# Altium PCB 247-616_Pi-CAN.PcbDoc
Units mm, origin at the board's own origin, x right, y up, seen from the top; angles counter-clockwise.
Board outline 65.2 x 30.4 mm, 2 copper layers (Top Layer, Bottom Layer), stack 1.569 mm thick; 33 components, 33 nets, 164 pads, 48 vias.
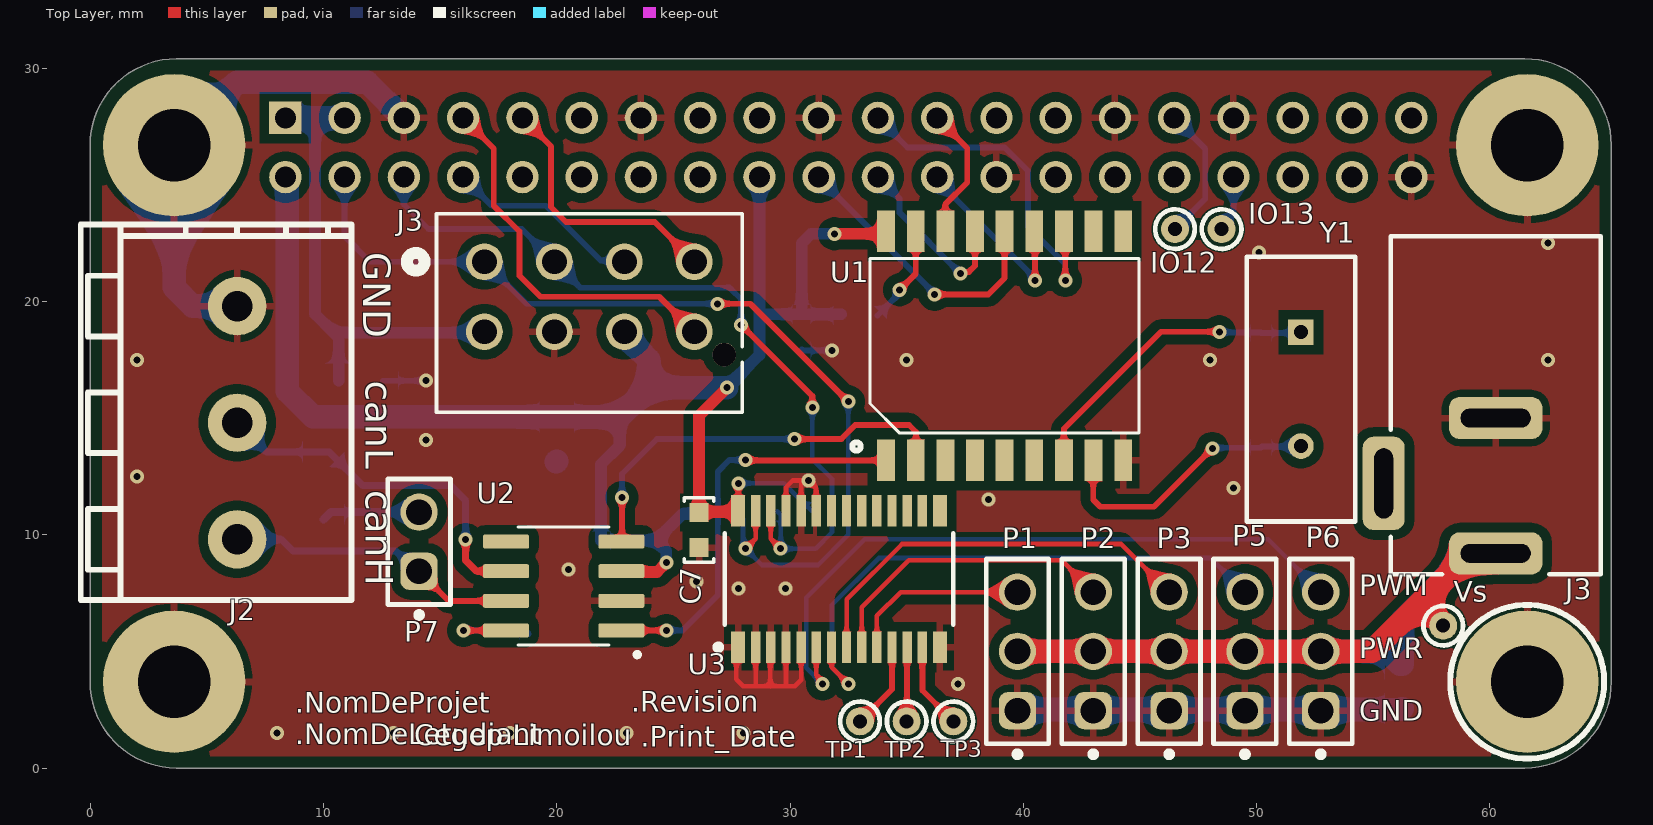
[diagram p0: Top Layer view]
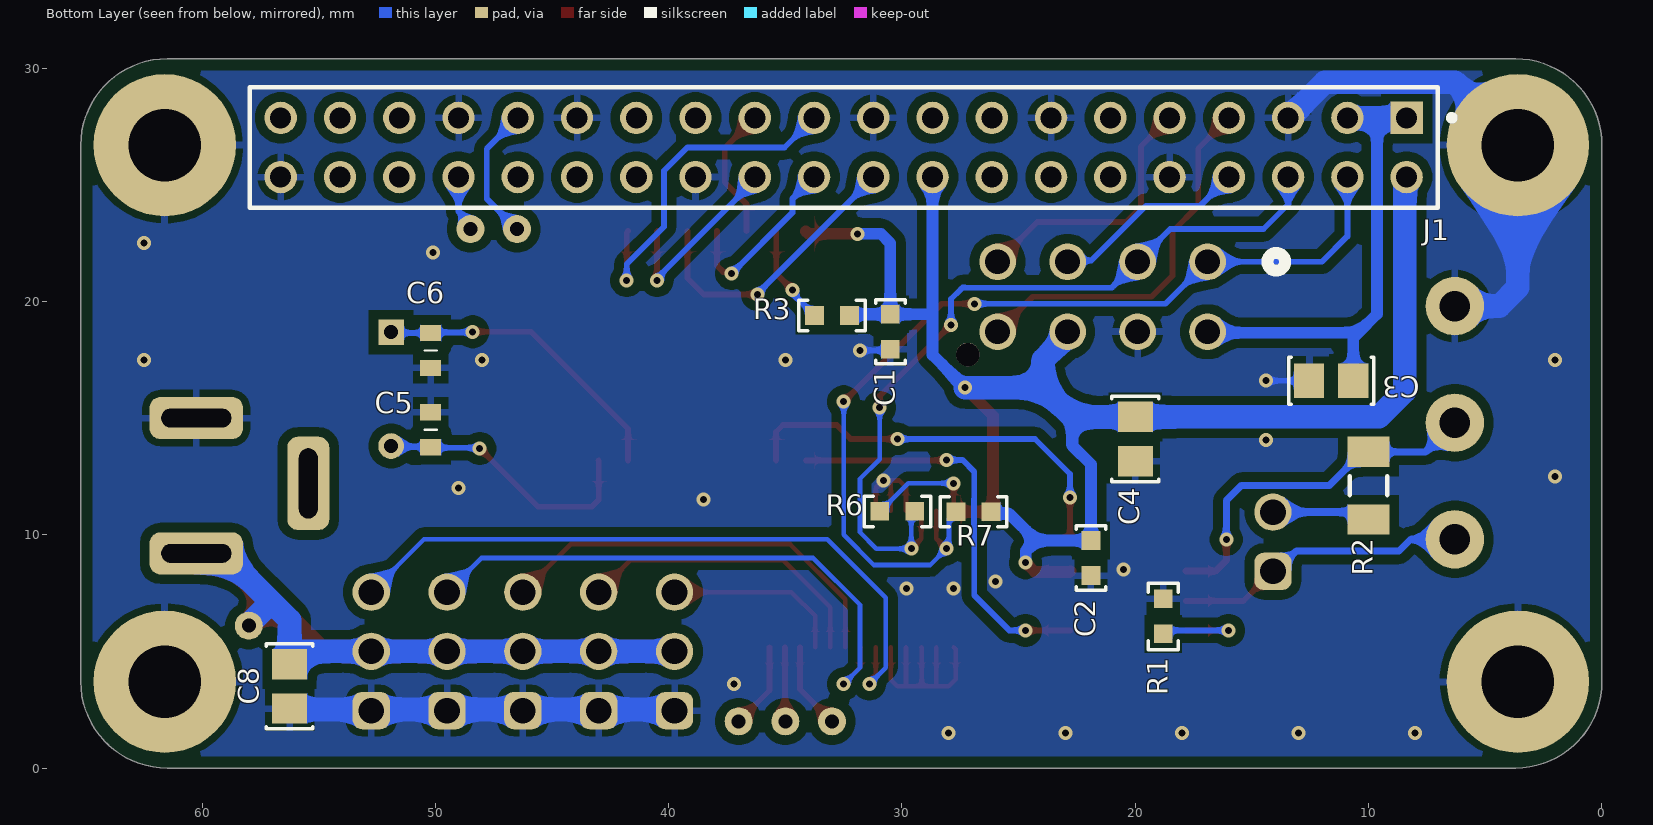
[diagram p1: Bottom Layer view, seen from below]
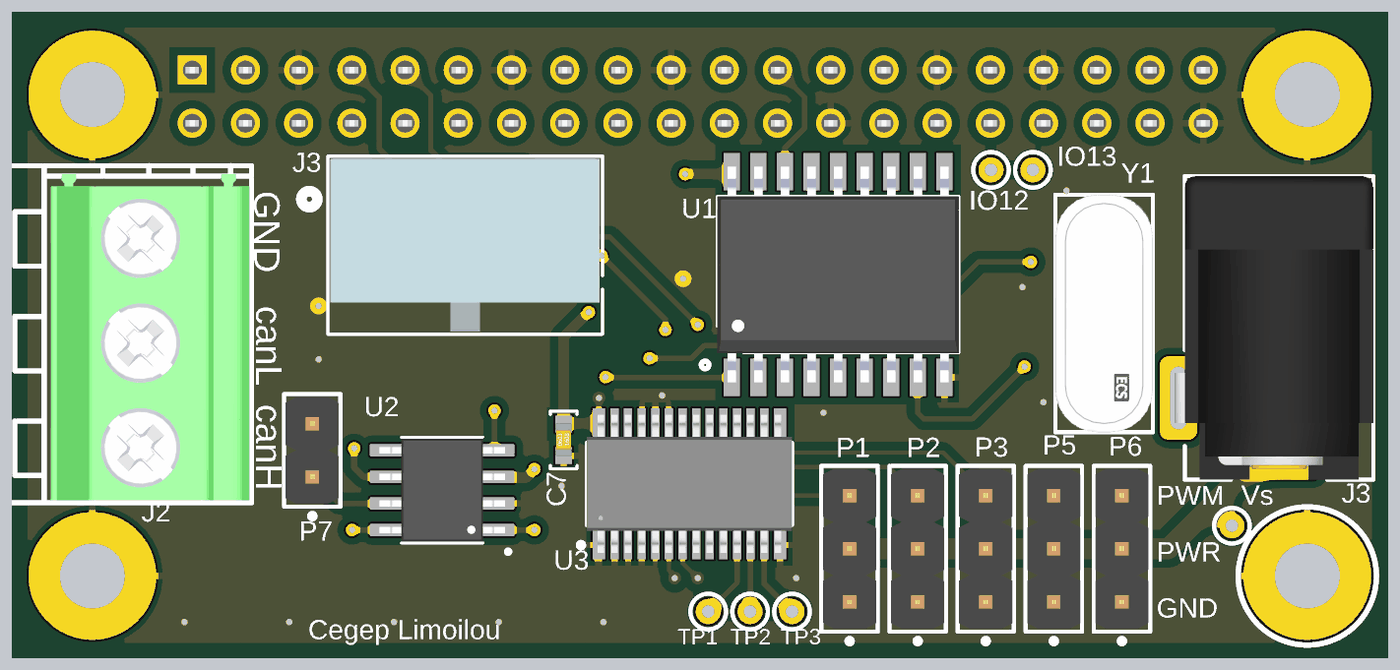
[diagram p2: 3D render of the assembled board from above, using the file's embedded part models]
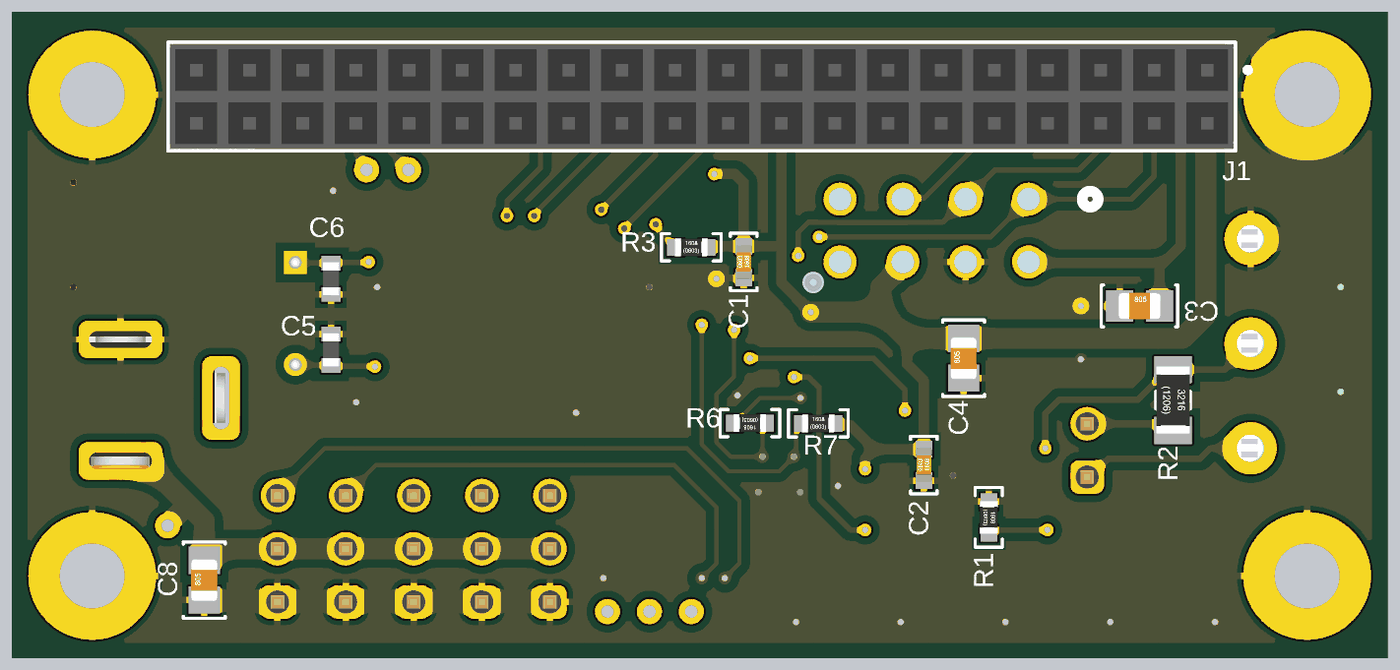
[diagram p3: 3D render of the assembled board from below, using the file's embedded part models]

## Layer stack, top to bottom
Top Solder: solder mask 0.0254, SM-001, Dk 4
Top Layer: signal copper 0.035
Dielectric 1: core 1.4986, Core-043, Dk 4.3
Bottom Layer: signal copper 0.035
Bottom Solder: solder mask 0.0254, SM-001, Dk 4

## Board outline
3.7,0 cw(c3.7,3.7) 0,3.7 0,26.7 cw(c3.7,26.7) 3.7,30.4 61.5,30.4 cw(c61.5,26.7) 65.2,26.7 65.2,3.7 cw(c61.5,3.7) 61.5,0

## Design rules (kind name [scope] priority, off if disabled: settings)
BoardOutlineClearance BoardOutlineClearance_SilkscreenTop [OnLayer('Top Overlay')] p1: gap=0 ignorepadtopadclearanceinfootprint=FALSE
BoardOutlineClearance BoardOutlineClearance_SilkscreenBottom [OnLayer('Bottom Overlay')] p2: gap=0.2 ignorepadtopadclearanceinfootprint=FALSE
BoardOutlineClearance [All] p3: gap=0.5 ignorepadtopadclearanceinfootprint=FALSE
Clearance Clearance_POLY [inpoly] p1: gap=0.4 ignorepadtopadclearanceinfootprint=FALSE
Clearance [All] p2: gap=0.2 ignorepadtopadclearanceinfootprint=FALSE
ComponentClearance [All] p1: gap=0.1 collisioncheckmode=3 verticalgap=0.254 showdistances=FALSE
DiffPairsRouting [All] p1: maxlimit=0.2 minlimit=0.2 mostfreqgap=0.2 toplayer_minwidth=0.2 toplayer_maxwidth=0.3 toplayer_prefwidth=0.25 bottomlayer_minwidth=0.2 bottomlayer_maxwidth=0.3 bottomlayer_prefwidth=0.25 maxuncoupledlength=15
HoleSize [All] p1: absolutevalues=TRUE maxlimit=4 minlimit=0.3 maxpercent=80.000 minpercent=20.000
HoleToHoleClearance [All] p1: gap=0.3 allowstackedmicrovias=TRUE
MinimumAnnularRing [All] p1: minimumring=0.125
MinimumSolderMaskSliver [All] p1: minsoldermaskwidth=0.075
PolygonConnect [All] p1: thpad.connectstyle=Relief thpad.reliefconductorwidth=0.3 thpad.reliefentries=4 thpad.polygonreliefangle="90 Angle" thpad.airgapwidth=0.3 smdpad.connectstyle=Relief smdpad.reliefconductorwidth=0.3 smdpad.reliefentries=4 smdpad.polygonreliefangle="90 Angle" smdpad.airgapwidth=0.3 via.connectstyle=Direct via.reliefconductorwidth=0.254 via.reliefentries=4 via.polygonreliefangle="90 Angle" via.airgapwidth=0.254
RoutingVias [All] p1: holewidth=0.3 width=0.6 viastyle="Through Hole" minholewidth=0.3 minwidth=0.6 maxholewidth=0.8 maxwidth=1.2
SilkToSilkClearance [All] p1: silktosilkclearance=0
SilkToSolderMaskClearance [IsPad] p1: minsilkscreentomaskgap=0 clearancetoexposedcopper=TRUE
SolderMaskExpansion [All] p1: expansion=0.1 istentingtop=FALSE
SupplyNets "Schematic Supply Nets_1" [InNet('GND')] p1: voltage=0.000
SupplyNets "Schematic Supply Nets_3" [InNet('V_SERVO')] p2: voltage=0.000
SupplyNets "Schematic Supply Nets_2" [InNet('V_5V')] p3: voltage=0.000
SupplyNets "Schematic Supply Nets" [InNet('V_3V3')] p4: voltage=0.000
Width [All] p1: maxlimit=5 minlimit=0.2 preferedwidth=0.25
23 further rules are at their usual default settings.

## Classes and differential pairs
differential pair CAN: +CAN_P -CAN_N

## Components (designator, comment, footprint, x,y, rotation, side; value= is the part's Value field where it differs from the comment)
C1 "Cap 100nF 0603" C_1608[0603] 30.5,18.7 r90 bottom value=100nF
C2 "Cap 100nF 0603" C_1608[0603] 21.9,9 r90 bottom value=100nF
C3 "Cap 10uF 0805" C_2012[0805] 11.6,16.6 r180 bottom value=10uF
C4 "Cap 10uF 0805" C_2012[0805] 20,14.1 r90 bottom value=10uF
C5 "Cap 22pF 0603" C0603 50.2,14.5 r90 bottom value=22pf
C6 "Cap 22pF 0603" C0603 50.2,17.9 r270 bottom value=22pf
C7 "Cap 100nF 0603" C_1608[0603] 26.1,10.2 r90 top value=100nF
C8 "Cap 10uF 0805" C_2012[0805] 56.25,3.5 r90 bottom value=10uF
IO12 "DNP" TP_TH061 46.5,23.1 r0 top
IO13 "DNP" TP_TH061 48.5,23.1 r90 top
J1 "7-534206-0" CONN_HDR_FEM_2x20pos_100mil 32.5,26.6 r0 bottom locked
J2 "950-DS/03" J_TERM_BLOCK_3POS_TH_5mm_Model2 6.3,14.8 r90 top locked
J3 "694106301002" P_DC-JACK_RA 60.25,15.55 r180 top
J3 "2068320801" CONN_2068320000-SD_08_MOL 16.9,21.7 r180 top
P1 "61300311121" P_HDR_3POS_100MILS_TH 39.75,5 r90 top
P2 "61300311121" P_HDR_3POS_100MILS_TH 43,5 r90 top
P3 "61300311121" P_HDR_3POS_100MILS_TH 46.25,5 r90 top
P5 "61300311121" P_HDR_3POS_100MILS_TH 49.5,5 r90 top
P6 "61300311121" P_HDR_3POS_100MILS_TH 52.75,5 r90 top
P7 "61300211121" P_HDR_2POS_100MILS_TH 14.1,9.7 r90 top
R1 "Res 1k 1% 0603" R_1608[0603] 18.8,6.5 r270 bottom value=1k
R2 "Res 120R 5% 1206" R_3216[1206] 10,12.1 r270 bottom value=120R
R3 "Res 10k 1% 0603" R_1608[0603] 33,19.4 r180 bottom value=10k
R6 "Res 10k 1% 0603" R_1608[0603] 30.2,11 r0 bottom value=10k
R7 "Res 10k 1% 0603" R_1608[0603] 26.937,10.988 r180 bottom value=10k
TP1 "DNP" TP_TH061 33,2 r0 top
TP2 "DNP" TP_TH061 35,2 r90 top
TP3 "DNP" TP_TH061 37,2 r90 top
U1 "MCP2515-I/SO" SOIC18-1.27-11.5X7.5MM 39.2,18.1 r0 top
U2 "SN65HVD230DR" SOIC127P599X175-8N 20.3,7.8 r180 top
U3 "PCA9685PW,112" TSSOP28_SOT361-1_V 32.1,8.1 r90 top
Vs "DNP" TP_TH061 58,6.1 r90 top
Y1 "ECS-80-20-4X" Y_HC-49-US 51.9,16.24 r270 top value=8MHz

## Footprints (in the part's own frame and the unit in brackets; to place one, negate y for a bottom-side part, rotate by r counter-clockwise, add the part's x,y. Pads: shape width x height; smd on the part's side, far side on the other; paste and mask are expansions set on the pad)
C0603 [mm] "Vérifié par projet tornatech"
  rect 0.7x0.9 smd: 1(-0.75,0) 2(0.75,0)
  silkscreen extent 0,-0.25 0,0.25, body extent -0.8,-0.4 0.8,0.4, height 0.9
C_1608[0603] [mm] "Capacitor MLCC; Body 1.6 x 0.8 mm (LxW typ)"
  rect 0.8x0.8 smd: 1(-0.75,0) 2(0.75,0)
  silkscreen extent -1.38,-0.64 1.38,0.64, body extent -0.8,-0.4 0.8,0.4, height 0.8
C_2012[0805] [mm] "Capacitor MLCC; Body 2.0 x 1.3 mm (LxW typ)"
  rect 1.3x1.5 smd: 1(-0.95,0) 2(0.95,0)
  silkscreen extent -1.83,-1 1.83,1, body extent -1,-0.62 1,0.63, height 0.78
CONN_2068320000-SD_08_MOL [mil]
  round 62 hole 42: 1(0,0) 2(-118.11,0) 3(-236.22,0) 4(-354.33,0) 5(0,118.11) 6(-118.11,118.11) 7(-236.22,118.11) 8(-354.33,118.11)
  round 40 / inner round 60 / far side round 40 hole 40 unplated paste-99999 mask+0: 9(-404.72,156.69)
  silkscreen extent -435,-81 131,254, body extent -430,-76 76,249, height 392
CONN_HDR_FEM_2x20pos_100mil [mm] "Connector Receptacle 2 rows  TH"
  rect 1.39x1.39 hole 0.9 paste-2539.97 mask+0: 1(-24.13,-1.27)
  round 1.39 hole 0.9 paste-2539.97 mask+0: 2(-24.13,1.27) 3(-21.59,-1.27) 4(-21.59,1.27) 5(-19.05,-1.27) 6(-19.05,1.27) 7(-16.51,-1.27) 8(-16.51,1.27) 9(-13.97,-1.27) 10(-13.97,1.27) 11(-11.43,-1.27) 12(-11.43,1.27) 13(-8.89,-1.27) 14(-8.89,1.27) 15(-6.35,-1.27) 16(-6.35,1.27) 17(-3.81,-1.27) 18(-3.81,1.27) 19(-1.27,-1.27) 20(-1.27,1.27) 21(1.27,-1.27) 22(1.27,1.27) 23(3.81,-1.27) 24(3.81,1.27) 25(6.35,-1.27) 26(6.35,1.27) 27(8.89,-1.27) 28(8.89,1.27) 29(11.43,-1.27) 30(11.43,1.27) 31(13.97,-1.27) 32(13.97,1.27) 33(16.51,-1.27) 34(16.51,1.27) 35(19.05,-1.27) 36(19.05,1.27) 37(21.59,-1.27) 38(21.59,1.27) 39(24.13,-1.27) 40(24.13,1.27)
  silkscreen extent -26.19,-2.58 25.47,2.58, body extent -25.4,-2.52 25.4,2.51, height 8.64
J_TERM_BLOCK_3POS_TH_5mm_Model2 [mm] "Terminal Block 3 positions Throught hole"
  round 2.5 hole 1.3: 1(-5,0) 2(0,0) 3(5,0)
  silkscreen extent -7.6,-4.9 8.5,6.7, body extent -7.49,-4.8 8.08,4.7, height 15.1
P_DC-JACK_RA [mm] "DC Power Jack Right Angle"
  rrect50% 4x1.8 hole 0.8 slot 3 at 0 deg: 1(0,6.35) 2(0,0.55)
  rrect50% 1.8x4 hole 0.8 slot 3 at 90 deg: 3(4.8,3.35)
  silkscreen extent -4.5,-7.25 4.5,7.25, body extent -4.5,-7.25 5,7.25, height 10.75
P_HDR_2POS_100MILS_TH [mm] "Pin Header, pitch 2.54 mm, THT, Vertical, single row, 2p"
  rrect50% 1.6x1.6 hole 1.1: 1(-1.27,0)
  round 1.6 hole 1.1: 2(1.27,0)
  silkscreen extent -3.26,-1.35 2.69,1.35, body extent -2.54,-1.27 2.54,1.27, height 8.57
P_HDR_3POS_100MILS_TH [mm] "Pin Header, pitch 2.54 mm, THT, Vertical, single row, 3p"
  rrect50% 1.6x1.6 hole 1.1: 1(-2.54,0)
  round 1.6 hole 1.1: 2(0,0) 3(2.54,0)
  silkscreen extent -4.53,-1.35 3.96,1.35, body extent -3.81,-1.27 3.81,1.27, height 8.57
R_1608[0603] [mm] "Chip Resistor; Body 1.6 x 0.8 mm (LxW typ)"
  rect 0.8x0.8 smd: 1(-0.75,0) 2(0.75,0)
  silkscreen extent -1.43,-0.65 1.43,0.65, body extent -0.77,-0.42 0.78,0.43, height 0.45
R_3216[1206] [mm] "Chip Resistor, Body 3.2x1.6mm, IPC Medium Density"
  rect 1.3x1.8 smd: 1(-1.45,0) 2(1.45,0)
  silkscreen extent -0.4,-0.8 0.4,0.8, body extent -1.6,-0.8 1.6,0.8, height 0.55
SOIC18-1.27-11.5X7.5MM [mil]
  rect 30x70 smd: 1(-200,-193.5) 2(-150,-193.5) 3(-100,-193.5) 4(-50,-193.5) 5(0,-193.5) 6(50,-193.5) 7(100,-193.5) 8(150,-193.5) 9(200,-193.5) 10(200,193.5) 11(150,193.5) 12(100,193.5) 13(50,193.5) 14(0,193.5) 15(-50,193.5) 16(-100,193.5) 17(-150,193.5) 18(-200,193.5)
  silkscreen extent -257,-177 227,148, body extent -227,-203 227,203, height 104
SOIC127P599X175-8N [mm]
  rrect25% 1.97x0.6 smd: 1(-2.47,1.905) 2(-2.47,0.635) 3(-2.47,-0.635) 4(-2.47,-1.905) 5(2.47,-1.905) 6(2.47,-0.635) 7(2.47,0.635) 8(2.47,1.905)
  silkscreen extent -3.25,-2.52 1.95,3.04, body extent -3,-2.45 3,2.45, height 1.75
TP_TH061 [mm] "Test point hole 0.61mm diameter (AWG28)"
  round 1.2 hole 0.6: 1(0,0)
  silkscreen extent -0.85,-0.85 0.85,0.85
TSSOP28_SOT361-1_V [mm] "SOP, 28-Leads, Body 9.7x4.4mm, Pitch 0.65mm, NXP Recommended"
  rect 1.35x0.6 smd: 1(-2.925,4.325) 14(-2.925,-4.325) 15(2.925,-4.325) 28(2.925,4.325)
  rect 1.35x0.4 smd: 2(-2.925,3.575) 3(-2.925,2.925) 4(-2.925,2.275) 5(-2.925,1.625) 6(-2.925,0.975) 7(-2.925,0.325) 8(-2.925,-0.325) 9(-2.925,-0.975) 10(-2.925,-1.625) 11(-2.925,-2.275) 12(-2.925,-2.925) 13(-2.925,-3.575) 16(2.925,-3.575) 17(2.925,-2.925) 18(2.925,-2.275) 19(2.925,-1.625) 20(2.925,-0.975) 21(2.925,-0.325) 22(2.925,0.325) 23(2.925,0.975) 24(2.925,1.625) 25(2.925,2.275) 26(2.925,2.925) 27(2.925,3.575)
  silkscreen extent -3.05,-4.9 1.96,5.3, body extent -3.3,-4.9 3.3,4.9, height 1.09
Y_HC-49-US [mm] "Xtal"
  rect 1.1x1.1 hole 0.6 paste-2539.97 mask+0: 1(-2.44,0)
  round 1.1 hole 0.6 paste-2539.97 mask+0: 2(2.44,0)
  silkscreen extent -5.68,-2.32 5.68,2.32, body extent -5.77,-2.42 5.77,2.42, height 0.25

## Part data
C1 C2 C7: library part CAP002, "Capacitor type 1", Dielectric=X7R, Manufacturer 1=Yageo, Manufacturer Part Number 1=CC0603KRX7R9BB104, Rated Voltage=50V, Supplier Part Number 1=C14663, Tolerance=10%, CEGEP=COND0143SM, LibRef=CAP002, Mount=SMT, Supplier 1=LCSC
C3 C4 C8: library part CAP004, "Capacitor type 1", Dielectric=X5R, Manufacturer 1=Samsung, Manufacturer Part Number 1=CL21A106KAYNNNE, Rated Voltage=25V, Supplier Part Number 1=C15850, Tolerance=10%, CEGEP=KCOND03SM, LibRef=CAP004, Mount=SMT, Supplier 1=LCSC
C5 C6: library part CAP012, "Capacitor type 1", Dielectric=C0G, Manufacturer 1=AVX, Manufacturer Part Number 1=12065A220KAT2A, Rated Voltage=50V, Tolerance=10%, CEGEP=COND0002SM, LibRef=CAP012, Mount=SMT
IO12 IO13 TP1 TP2 TP3 Vs: library part TP_TH0.61mm(AWG28), "Pad TH 0.61mm diameter (AWG28)", Supplier Part Number 1=N/A, Manufacturer Part Number 1=DNP, Supplier 1=N/A
J1: library part J_HDR_RECEPTACLE_2X20_TH_100mils, "CONN RCPT 40POS 0.1", Manufacturer2=Sullins, Manufacturer2_PN=PPTC202LFBN-RC, Manufacturer 1="TE Connectivity", Supplier Part Number 1=S6104-ND, CEGEP=CON040, Manufacturer Part Number 1=7-534206-0, Mount=TH, Supplier 1=Digi-Key
J2: library part J_TERM_BLOCK_3POS_5mm_MODEL2, "CONN TERM BLOCK 3POS 5mm pitch", Manufacturer2=Weco, Manufacturer 1="Phoenix Contact", Manufacturer Part Number 1=1890976, Supplier Part Number 1=277-6163-ND, CEGEP=CONWECO0002, Manufacturer2_PN=950-DS/03, Mount=TH, Supplier 1=Digi-Key
J3: library part J_DC_JACK_2.5MM, "DC Barrel Connector 2.5mm", Manufacturer 1="XKB Connection", Manufacturer Part Number 1=DC-005-5A-2.5, Supplier Part Number 1=C381115, Mount=TH, Supplier 1=LCSC
J3: library part J_CONN_MICROFIT_8POS, "Micro-Fit+ Vertical Header, Through Hole, 3.00mm Pitch, Dual Row, 8 Circuits, Tin (Sn) Plating, Glow-Wire Capable, Black, Tray", Manufacturer_Name="Molex Connector Corporation", Copyright="Copyright (C) 2025 Ultra Librarian. All rights reserved.", Manufacturer_Part_Number=2068320801, RefDes=RefDes, Type=Type
P1 P2 P3 P5 P6: library part P_HEADER_3POS, "Header 3pins single row, TH", Manufacturer 1="Würth Elektronik", Supplier Part Number 1=732-5316-ND, Manufacturer Part Number 1=61300311121, Mount=TH, Supplier 1=Digi-Key
P7: library part P_HEADER_2POS, "Header 2pins single row , 100mils TH", Manufacturer 1="Würth Elektronik", Supplier Part Number 1=732-5315-ND, Manufacturer Part Number 1=61300211121, Mount=TH, Supplier 1=Digi-Key
R1: library part RES015, "Resistor type 1", Manufacturer 1=Yageo, Manufacturer Part Number 1=RC0603FR-071KL, Max Working Voltage=75V, Supplier Part Number 1=C22548, Tolerance=1%, LibRef=RES015, Mount=SMT, Puissance=1/10W, Supplier 1=LCSC
R2: library part RES014, "Resistor type 1", Manufacturer 1=Panasonic, Manufacturer Part Number 1=ERJ-8GEYJ121V, Max Working Voltage=50V, Supplier Part Number 1=P120ECT-ND, Tolerance=5%, LibRef=RES014, Mount=SMT, Puissance=1/4W, Supplier 1=Digikey
R3 R6 R7: library part RES001, "Resistor type 1", Manufacturer 1=Yageo, Manufacturer Part Number 1=RC0603FR-0710KL, Max Working Voltage=75V, Supplier Part Number 1=C98220, Tolerance=1%, CEGEP=RESI0238-0603, LibRef=RES001, Mount=SMT, Puissance=1/10W, Supplier 1=LCSC
U1: library part U_MCP2515-SOIC, "CANbus Controller CAN 2.0 SPI Interface 18-SOIC", Manufacturer 1=Microchip, Manufacturer Part Number 1=MCP2515T-I/SO, Mount=SMT, Supplier 1=Digi-Key, Supplier Part Number 1=MCP2515T-I/SO
U2: library part U_SN65HVD230DR_SOIC, "IC TRANSCEIVER HALF 1/1 8SOIC", Manufacturer 1="Texas Instruments", Manufacturer Part Number 1=SN65HVD230DR, Mount=SMT
U3: library part U_PCA9685PW, "16-Channel, 12-Bit PWM I2C-Bus LED Controller, 28-Pin TSSOP (SOT361-1)", Manufacturer 1=NXP, Supplier Part Number 1=568-8366-5-ND, Manufacturer Part Number 1=PCA9685PW,112, Mount=SMT, Supplier 1=Digi-Key
Y1: library part Y_XTAL_8MHz_HC49US, "Crystal 8MHz TH", Manufacturer 1=ECS, Supplier Part Number 1=XC1922-ND, Tolerance=50ppm, CEGEP=CRISTAL0041, Manufacturer Part Number 1=ECS-80-20-4X, Mount=TH, Supplier 1=Digikey

## Free pads (board coordinates)
  round 6.1 hole 3.1: MH1(3.6,26.7) MH2(61.6,26.7) MH3(61.6,3.7) MH4(3.6,3.7)

## Via types
v1: diameter 0.6, hole 0.3, Top Layer to Bottom Layer, tented both sides, 26 vias
v2: diameter 0.6, hole 0.3, Top Layer to Bottom Layer, 22 vias

## Nets (pads, with @x,y where several pads share a name; then routed paths per layer and width w, separated by ;. In a path a pad name is that pad's centre, name@x,y a point inside that pad or via, vN(x,y) a via of type N, cw(c..) or ccw(c..) an arc to the next point about the centre after c; other vN are vias at no path point)
CAN_INT: J1.21 U1.12 | length 14.9
  Top Layer w0.25: U1.12 41.8,22.955 v2(41.8,20.9)
  Bottom Layer w0.25: J1.21 35.04,26.6 39.2,26.6 40.2,25.6 40.2,23.2 41.8,21.6 v2(41.8,20.9)
CAN_N: J2.2 R2.1 U2.6 | length 15.7
  Top Layer w0.3: v2(16.1,9.8) 16.1,8.9 16.565,8.435 U2.6
  Bottom Layer w0.3: J2.2 7.55,13.55 R2.1 10.25,13.55 11.68,12.12 15.44,12.12 16.1,11.46 v2(16.1,9.8)
CAN_P: J2.1 P7.1 U2.7 | length 12.6
  Top Layer w0.25: P7.1 15.365,7.165 U2.7
  Bottom Layer w0.3: J2.1 8.2,9.8 8.7,9.3 13.1,9.3 13.97,8.43 P7.1
CAN_RXD: U1.2 U2.4 | length 17.7
  Top Layer w0.25: U2.4 22.8,9.735 v2(22.8,11.6) ; v2(30.2,14.1) 32.2,14.1 32.8,14.7 35.1,14.7 35.4,14.4 35.4,13.195 U1.2
  Bottom Layer w0.25: v2(22.8,11.6) 22.8,12.6 24.3,14.1 v2(30.2,14.1)
CAN_TXD: U1.1 U2.1 | length 17.5
  Top Layer w0.25: U2.1 22.773,5.898 24.697,5.898 v2(24.7,5.9) ; v2(28.1,13.2) 28.115,13.185 U1.1
  Bottom Layer w0.25: v2(24.7,5.9) 25.4,5.9 26.9,7.4 26.9,10.44 26.912,10.453 26.912,11.522 26.9,11.535 26.9,12.7 27.4,13.2 v2(28.1,13.2)
GND: C1.1 C2.1 C3.1 C4.1 C5.2 C6.2 C7.1 C8.1 J1.5 J1.10 J1.13 J1.19 J1.26 J1.29 J1.33 J1.40 J2.3 J3.2@60.25,15 J3.6 P1.1 P2.1 P3.1 P5.1 P6.1 pad.MH1 pad.MH2 pad.MH3 pad.MH4 R1.1 U1.9 U2.2 U3.1 U3.2 U3.3 U3.4 U3.5 U3.14 U3.23 U3.24 U3.25 | length 56.3
  Top Layer w0.2: U3.1 27.7,5.1 27.7,3.8 28,3.5 28.5,3.5 ; U3.2 28.525,3.525 28.5,3.5 ; U3.3 29.154,5.154 29.154,3.5 ; U3.4 29.825,3.55 29.775,3.5 ; U3.25 29.825,12.025 30.125,12.325 30.461,12.325 ; U3.5 30.475,3.775 30.2,3.5 29.775,3.5 ; U3.24 30.475,12.311 30.461,12.325 ; U3.23 31.125,11.997 v1(30.796,12.325) 30.461,12.325 ; 28.5,3.5 29.154,3.5 ; 29.154,3.5 29.775,3.5
  Bottom Layer w0.25: C3.1 v2(14.4,16.6) ; C1.1 30.55,17.9 v2(31.8,17.9) ; v1(49,12) v1@49.067,12.067
  Bottom Layer w1: J2.3@6.325,19.825 J2.3 4.4,19.8 3.6,20.6 pad.MH1 6.3,29.4 11.876,29.4 13.406,27.87 J1.5 ; C4.1@19.975,13.125 C4.1 ; P1.1 39.795,2.505 56.205,2.505 C8.1
  other v1: 8,1.5 13,1.5 18,1.5 23,1.5 28,1.5 37.2,3.6 27.8,7.7 29.8,7.7 26,8 20.5,8.5 38.5,11.5 2,12.5 14.4,14.05 2,17.5 35,17.5 48,17.5 62.5,17.5 50.1,22.1 62.5,22.5
IO4: J1.8 J3.3@22.9,21.7 | length 8.4
  Bottom Layer w0.25: J1.8 17.22,24.1 19.538,24.1 21.884,21.754 22.846,21.754 J3.3@22.9,21.7
NetC5_1: C5.1 U1.8 Y1.2 | length 11.8
  Top Layer w0.25: U1.8 43,13.175 43,11.5 43.3,11.2 45.6,11.2 v2(48.1,13.7)
  Bottom Layer w0.25: v2(48.1,13.7) 48.125,13.725 50.175,13.725 C5.1 50.225,13.775 51.875,13.775 Y1.2
NetC6_1: C6.1 U1.7 Y1.1 | length 13.3
  Top Layer w0.25: U1.7 41.74,14.54 45.9,18.7 v2(48.4,18.7)
  Bottom Layer w0.25: v2(48.4,18.7) 48.425,18.675 50.175,18.675 C6.1 51.87,18.65 Y1.1
NetIO12_1: IO12.1 J1.31 | length 5.9
  Bottom Layer w0.25: J1.31 47.8,26.54 47.8,24.4 IO12.1
NetIO13_1: IO13.1 J1.34 | length 2.4
  Bottom Layer w0.25: IO13.1 48.5,23.357 49.01,23.867 J1.34
NetP7_2: P7.2 R2.2 | length 4.2
  Bottom Layer w0.35: R2.2 10.32,10.97 P7.2
NetR1_2: R1.2 U2.8 | length 4.7
  Top Layer w0.25: v2(16,5.9) 16.005,5.895 U2.8
  Bottom Layer w0.25: v2(16,5.9) 18.65,5.9 R1.2
NetR3_1: R3.1 U1.17 | length 4.3
  Top Layer w0.25: v2(34.7,20.5) 35.39,21.19 U1.17
  Bottom Layer w0.25: R3.1 34.633,20.283 34.633,20.433 v2(34.7,20.5)
NetTP1_1: TP1.1 U3.11 | length 3.7
  Top Layer w0.25: TP1.1 34.375,3.375 U3.11
NetTP2_1: TP2.1 U3.12 | length 3.2
  Top Layer w0.25: TP2.1 35.013,2.013 35.013,5.162 U3.12
NetTP3_1: TP3.1 U3.13 | length 3.7
  Top Layer w0.25: U3.13 35.675,3.325 TP3.1
PWM1: P1.3 U3.10 | length 7.8
  Top Layer w0.2: U3.10 33.725,6.525 34.74,7.54 P1.3
PWM2: P2.3 U3.9 | length 13
  Top Layer w0.2: U3.9 33.075,6.884 35.091,8.9 41.64,8.9 P2.3
PWM3: P3.3 U3.8 | length 17.7
  Top Layer w0.2: U3.8 32.425,7.225 34.8,9.6 44.19,9.6 P3.3
PWM4: P5.3 U3.7 | length 24.7
  Top Layer w0.2: U3.7 31.783,5.167 31.783,4.317 v1(32.5,3.6)
  Bottom Layer w0.2: v1(32.5,3.6) 31.8,4.3 31.8,7 33.8,9 48.04,9 P5.3
PWM5: P6.3 U3.6 | length 29.7
  Top Layer w0.2: U3.6 31.125,3.983 31.4,3.708 v1(31.4,3.6)
  Bottom Layer w0.2: v1(31.4,3.6) 30.7,4.3 30.7,7.3 33.2,9.8 50.49,9.8 P6.3
RX: J1.9 J3.4 | length 11.4
  Top Layer w0.25: J1.9 19.753,26.647 19.753,24.047 20.4,23.4 24.2,23.4 J3.4
SCL: J1.6 J3.2@19.9,21.7 R6.1 U3.26 | length 34.9
  Top Layer w0.2: U3.26 29.175,9.825 v1(29.6,9.4)
  Top Layer w0.25: v2(27.9,19) 30.958,15.942 v2(30.958,15.458)
  Bottom Layer w0.2: R6.1 29.6,10.85 v1(29.6,9.4) 31.1,9.4 31.8,10.1 31.8,12.4 30.958,13.242 v2(30.958,15.458)
  Bottom Layer w0.25: J1.6 13.45,24.15 14.5,23.1 18.5,23.1 19.9,21.7 20.927,20.673 21,20.6 22.893,20.588 ccw(c22.9,21.7) 22.9,20.588 25.904,20.588 27.294,20.601 27.399,20.601 27.472,20.528 27.9,20.1 v2(27.9,19)
SDA: J1.4 J3.1@16.9,21.7 R7.1 U3.27 | length 41.6
  Top Layer w0.2: v1(28.1,9.4) 28.525,9.825 U3.27
  Top Layer w0.25: v2(26.9,19.9) 28.3,19.9 v2(32.5,15.7)
  Bottom Layer w0.2: R7.1 27.987,10.687 27.987,9.621 28.1,9.508 v1(28.1,9.4) 28.8,8.7 31.2,8.7 32.5,10 v2(32.5,15.7)
  Bottom Layer w0.25: J1.4 10.91,22.79 12,21.7 16.9,21.7 18.7,19.9 v2(26.9,19.9)
SPI_nCS: J1.23 U1.16 | length 5.8
  Top Layer w0.25: J1.23 37.6,26.58 37.6,25.1 36.66,24.16 U1.16
SPI_SCK: J1.24 U1.13 | length 8.3
  Top Layer w0.25: U1.13 40.5,22.985 v2(40.5,20.9)
  Bottom Layer w0.25: J1.24 36.31,25.185 40.5,20.995 v2(40.5,20.9)
SPI_SI: J1.20 U1.14 | length 12.4
  Top Layer w0.25: v2(36.2,20.3) 38.5,20.3 39.2,21 U1.14
  Bottom Layer w0.25: J1.20 31.23,25.3 36.2,20.33 v2(36.2,20.3)
SPI_SO: J1.22 U1.15 | length 7.8
  Top Layer w0.25: v2(37.3,21.2) 37.367,21.267 37.667,21.267 37.93,21.53 U1.15
  Bottom Layer w0.25: J1.22 34.7,24.4 34.7,23.8 v2(37.3,21.2)
TX: J1.7 J3.8 | length 16.3
  Top Layer w0.25: J1.7 17.3,26.56 17.3,24.1 18.4,23 18.4,21.1 19.3,20.2 24.4,20.2 J3.8
V_3V3: C1.2 C2.2 C4.2 C7.2 J1.2 J1.18 J3.7 R3.2 R6.2 R7.2 U1.18 U2.3 U3.28 | length 78.1
  Top Layer w0.2: U3.28 27.785,11.035 v1(27.785,12.204)
  Top Layer w0.5: U2.3 22.805,8.4 24.3,8.4 v2(24.7,8.8) ; v2(27.3,16.3) 26.1,15.1 C7.2 26.138,10.988 27.737,10.988 U3.28 ; v2(31.9,22.9) 34.005,22.9 U1.18
  Bottom Layer w0.2: v1(27.785,12.204) 29.728,12.204 30.631,11.3 30.65,11.3 R6.2
  Bottom Layer w0.5: 22.7,15.186 22.7,15.05 22.7,13.812 21.9,13.013 C2.2 24.25,9.75 ; v2(24.7,8.8) 24.7,9.3 24.25,9.75 ; R7.2 26.1,10.9 25.4,10.9 24.25,9.75 ; v2@27.284,16.3 28.69,17.706 28.69,19 28.69,19.45 ; J1.18 28.69,19.45 ; v2(31.9,22.9) 30.9,22.9 30.5,22.5 C1.2 ; R3.2@32.2,19.45 C1.2 ; 28.69,19.45 C1.2
  Bottom Layer w1: J1.2 8.445,25.255 8.445,16.155 9.55,15.05 C4.2 22.7,15.05 23.95,16.3 ; J3.7 22.9,18.544 23.95,17.494 23.95,16.3 ; v2@27.284,16.3 23.95,16.3
V_5V: C3.2 J1.1 J1.3 J3.5 | length 20.7
  Bottom Layer w0.5: 9.64,27.87 9.64,19.46 10.444,18.656 ; C3.2 10.65,18.45 10.444,18.656 ; J3.5 16.856,18.656 10.444,18.656
  Bottom Layer w1: J1.1 9.64,27.87 J1.3
V_SERVO: C8.2 J3.1@60.25,9.2 P1.2 P2.2 P3.2 P5.2 P6.2 Vs.1 | length 48.9
  Top Layer w1: P1.2 P2.2 P3.2 P5.2 P6.2 54.95,5 57.05,7.1 ; Vs.1 58,6.15 57.05,7.1 ; J3.1@60.25,9.2 59.15,9.2 57.05,7.1
  Bottom Layer w1: P1.2 P2.2 P3.2 P5.2 P6.2 55.6,5 56.15,4.45 C8.2 56.25,6.329 57.06,7.14 ; Vs.1 58,6.154 57.06,7.094 57.06,7.14 ; J3.1@60.25,9.2 59.85,8.8 58.721,8.8 57.06,7.14
pads on no net: J1.11 J1.12 J1.14 J1.15 J1.16 J1.17 J1.25 J1.27 J1.28 J1.30 J1.32 J1.35 J1.36 J1.37 J1.38 J1.39 J3.3@55.45,12.2 J3.9 U1.3 U1.4 U1.5 U1.6 U1.10 U1.11 U2.5 U3.15 U3.16 U3.17 U3.18 U3.19 U3.20 U3.21 U3.22

## Polygon pours and split planes (outlines as drawn)
GND on Top Layer "GND_L01_P002" (solid, remove dead copper, pour order 2): 0,3.7 0,26.7 cw(c3.7,26.7) 3.7,30.4 61.5,30.4 cw(c61.5,26.7) 65.2,26.7 65.2,3.7 cw(c61.5,3.7) 61.5,0 3.7,0 cw(c3.7,3.7)
GND on Bottom Layer "GND_L02_P003" (solid, remove dead copper, pour order 3): 0,3.7 0,26.7 cw(c3.7,26.7) 3.7,30.4 61.5,30.4 cw(c61.5,26.7) 65.2,26.7 65.2,3.7 cw(c61.5,3.7) 61.5,0 3.7,0 cw(c3.7,3.7)

## Silkscreen, mask and mechanical layers (free items; w line width, h text height)
Top Overlay:
  circle w0.254: c61.6,3.7 r3.3
  text "GND" at 11.322,22.1 h2 r270
  text "canL" at 11.42,16.6 h2 r270
  text "canH" at 11.42,11.9 h2 r270
  text "PWM" at 54.4,7.1 h1.5
  text "PWR" at 54.4,4.4 h1.5
  text ".Revision" at 23.2,2.115 h1.5
  text ".NomDeProjet" at 8.799,2.066 h1.5
  text "GND" at 54.4,1.717 h1.5
  text ".NomDeLetudiant" at 8.8,0.715 h1.5
  text "Cegep Limoilou" at 13.9,0.682 h1.5
  text ".Print_Date" at 23.599,0.617 h1.5
Board:
  lines w0.5: 0,3.7 ccw(c3.7,3.7) 3.7,0 ; 0,3.7 ccw(c3.7,3.7) 3.7,0 ; 0,3.7 ccw(c3.7,3.7) 3.7,0 ; 0,3.7 ccw(c3.7,3.7) 3.7,0 ; 0,3.7 0,26.7 ; 0,3.7 0,26.7 ; 0,3.7 0,26.7 ; 0,3.7 0,26.7 ; 0,26.7 cw(c3.7,26.7) 3.7,30.4 ; 0,26.7 cw(c3.7,26.7) 3.7,30.4 ; 0,26.7 cw(c3.7,26.7) 3.7,30.4 ; 0,26.7 cw(c3.7,26.7) 3.7,30.4 ; 3.7,0 61.5,0 ; 3.7,0 61.5,0 ; 3.7,0 61.5,0 ; 3.7,0 61.5,0 ; 3.7,30.4 61.5,30.4 ; 3.7,30.4 61.5,30.4 ; 3.7,30.4 61.5,30.4 ; 3.7,30.4 61.5,30.4 ; 61.5,0 ccw(c61.5,3.7) 65.2,3.7 ; 61.5,0 ccw(c61.5,3.7) 65.2,3.7 ; 61.5,0 ccw(c61.5,3.7) 65.2,3.7 ; 61.5,0 ccw(c61.5,3.7) 65.2,3.7 ; 61.5,30.4 cw(c61.5,26.7) 65.2,26.7 ; 61.5,30.4 cw(c61.5,26.7) 65.2,26.7 ; 61.5,30.4 cw(c61.5,26.7) 65.2,26.7 ; 61.5,30.4 cw(c61.5,26.7) 65.2,26.7 ; 65.2,3.7 65.2,26.7 ; 65.2,3.7 65.2,26.7 ; 65.2,3.7 65.2,26.7 ; 65.2,3.7 65.2,26.7
Top Component Center:
  circle w0.254: c3.6,3.7 r1.5
  circle w0.254: c61.6,3.7 r1.5
  circle w0.254: c61.6,26.7 r1.5
  circle w0.254: c3.6,26.7 r1.5
  lines w0.1: -12.5,23 -0.5,23 2.6,19.9 ; -12,32 -2,32 2.5,27.5 ; 3.8,7.9 3.8,21.9 ; 4,34 15,34 19.75,29.25 ; 6,32 8,32 9.75,30.25 9.75,28.5 ; 8.2,7.9 8.2,21.9 ; 0,3.7 ccw(c3.7,3.7) 3.7,0 61.5,0 ccw(c61.5,3.7) 65.2,3.7 65.2,26.7 ccw(c61.5,26.7) 61.5,30.4 3.7,30.4 ccw(c3.7,26.7) 0,26.7 0,3.7 ; 2.6,7.9 2.6,21.9 9.4,21.9 9.4,7.9 2.6,7.9 ; 6.85,23.1 58.05,23.1 58.05,29.1 6.85,29.1 6.85,23.1 ; 8,27 8,28.5 11.5,28.5 11.5,27 8,27
  text "Connecteur interface Pi4" at -0.3,34.217 h1.5
  text "5V" at 6,32.517 h1.5
  text "Trous de fixation (x4)" at -16.6,32.283 h1.5
  text "Connecteur CAN" at -15.8,23.517 h1.5
  text "GND" at -4.5,19.517 h1.5
  text "CAN L" at -4.5,14.517 h1.5
  text "CAN H" at -4.5,9.517 h1.5
Drill Drawing:
  circle w0.254: c82.567,16.618 r0.414
  circle w0.254: c82.567,16.618 r0.69
  circle w0.254: c82.567,7.308 r0.69
  lines w0.25: 80.626,2.585 178.828,2.585 ; 80.626,33.615 178.828,33.615 ; 81.124,42.55 87.4,42.55 103.409,42.55 112.366,42.55 119.488,42.55 ; 81.124,45.55 87.4,45.55 103.409,45.55 112.366,45.55 119.488,45.55 ; 81.124,48.55 87.4,48.55 103.409,48.55 112.366,48.55 119.488,48.55 ; 81.124,51.55 87.4,51.55 103.409,51.55 112.366,51.55 119.488,51.55 ; 81.124,54.55 87.4,54.55 103.409,54.55 112.366,54.55 119.488,54.55 ; 81.124,57.55 87.4,57.55 103.409,57.55 112.366,57.55 119.488,57.55 ; 81.124,60.55 87.4,60.55 103.409,60.55 112.366,60.55 119.488,60.55 ; 81.124,63.55 87.4,63.55 103.409,63.55 112.366,63.55 119.488,63.55 ; 81.124,66.55 119.488,66.55 ; 87.4,69.55 87.4,39.55 ; 88.607,-0.518 88.607,36.718 ; 95.824,-0.518 95.824,36.718 ; 103.409,69.55 103.409,39.55 ; 110.257,-0.518 110.257,36.718 ; 112.366,69.55 112.366,39.55 ; 116.446,-0.518 116.446,36.718 ; 125.458,-0.518 125.458,36.718 ; 142.52,-0.518 142.52,36.718 ; 149.903,-0.518 149.903,36.718 ; 163.463,-0.518 163.463,36.718 ; 87.4,39.55 103.409,39.55 ; 87.4,39.55 81.124,39.55 81.124,69.55 119.488,69.55 119.488,39.55 112.366,39.55 ; 103.409,39.55 112.366,39.55 ; 80.626,-0.518 178.828,-0.518 178.828,36.718 80.626,36.718 80.626,-0.518
  lines w0.254: 81.877,3.861 82.222,3.861 82.222,3.516 82.912,3.516 82.912,3.861 83.257,3.861 83.257,4.55 82.912,4.55 82.912,4.895 82.222,4.895 82.222,4.55 81.877,4.55 81.877,3.861 ; 81.877,9.722 81.877,10.067 82.222,10.411 81.877,10.756 81.877,11.101 82.222,11.101 82.567,10.756 82.912,11.101 83.257,11.101 83.257,10.756 82.912,10.411 83.257,10.067 83.257,9.722 82.912,9.722 82.567,10.067 82.222,9.722 81.877,9.722 ; 81.877,12.825 83.257,12.825 83.257,14.204 81.877,14.204 81.877,12.825 ; 81.877,19.031 83.257,19.031 83.257,20.41 81.877,20.41 81.877,19.031 ; 81.877,23.513 83.257,23.513 82.567,22.134 81.877,23.513 ; 81.877,26.616 83.257,26.616 82.567,25.237 81.877,26.616 ; 81.877,29.03 82.567,28.34 83.257,29.03 82.567,29.719 81.877,29.03 ; 81.877,31.443 82.567,31.788 83.257,31.443 82.912,32.133 83.257,32.822 82.567,32.478 81.877,32.822 82.222,32.133 81.877,31.443 ; 82.153,13.101 82.981,13.101 82.981,13.928 82.153,13.928 82.153,13.101 ; 82.153,23.237 82.981,23.237 82.567,22.41 82.153,23.237
  text "Layer" at 82.624,67.3 h1.5
  text "Name" at 88.9,67.3 h1.5
  text "Thickness" at 104.909,67.3 h1.5
  text "Gerber" at 113.866,67.3 h1.5
  text "Top Overlay" at 88.9,64.3 h1.5
  text "GTO" at 113.866,64.3 h1.5
  text "Top Solder" at 88.9,61.3 h1.5
  text "0.025mm" at 104.909,61.3 h1.5
  text "GTS" at 113.866,61.3 h1.5
  text "Top Surface Finish" at 88.9,58.3 h1.5
  text "0.020mm" at 104.909,58.3 h1.5
  text "1" at 82.624,55.3 h1.5
  text "Top Layer" at 88.9,55.3 h1.5
  text "0.035mm" at 104.909,55.3 h1.5
  text "GTL" at 113.866,55.3 h1.5
  text "Dielectric 1" at 88.9,52.3 h1.5
  text "1.499mm" at 104.909,52.3 h1.5
  text "2" at 82.623,49.3 h1.5
  text "Bottom Layer" at 88.9,49.3 h1.5
  text "0.035mm" at 104.909,49.3 h1.5
  text "GBL" at 113.866,49.3 h1.5
  text "Bottom Surface Finish" at 88.9,46.3 h1.5
  text "0.020mm" at 104.909,46.3 h1.5
  text "Bottom Solder" at 88.9,43.3 h1.5
  text "0.025mm" at 104.909,43.3 h1.5
  text "GBS" at 113.866,43.3 h1.5
  text "Bottom Overlay" at 88.9,40.3 h1.5
  text "GBO" at 113.866,40.3 h1.5
  text "Total board thickness:" at 82.624,37.3 h1.5
  text "1.659mm" at 104.909,37.3 h1.5
  text "Symbol" at 82.488,34.546 h1.8
  text "Count" at 89.538,34.546 h1.8
  text "Hole Size" at 96.755,34.546 h1.8
  text "Plated" at 111.188,34.546 h1.8
  text "Hole Type" at 117.377,34.546 h1.8
  text "Drill Layer Pair" at 126.389,34.546 h1.8
  text "Via/Pad" at 143.45,34.546 h1.8
  text "Pad Shape" at 150.834,34.546 h1.8
  text "Hole Length" at 164.394,34.546 h1.8
  text "26" at 89.538,31.443 h1.5
  text "0.300mm (11.81mil)" at 96.755,31.443 h1.5
  text "PTH" at 111.188,31.443 h1.5
  text "Round" at 117.377,31.443 h1.5
  text "Top Layer - Bottom Layer" at 126.389,31.443 h1.5
  text "Via" at 143.45,31.443 h1.5
  text "Rounded" at 150.834,31.443 h1.5
  text "-" at 164.394,31.443 h1.5
  text "22" at 89.538,28.34 h1.5
  text "0.300mm (11.81mil)" at 96.755,28.34 h1.5
  text "PTH" at 111.188,28.34 h1.5
  text "Round" at 117.377,28.34 h1.5
  text "Top Layer - Bottom Layer" at 126.389,28.34 h1.5
  text "Via" at 143.45,28.34 h1.5
  text "Rounded" at 150.834,28.34 h1.5
  text "-" at 164.394,28.34 h1.5
  text "8" at 89.538,25.237 h1.5
  text "0.600mm (23.62mil)" at 96.755,25.237 h1.5
  text "PTH" at 111.188,25.237 h1.5
  text "Round" at 117.377,25.237 h1.5
  text "Top Layer - Bottom Layer" at 126.389,25.237 h1.5
  text "Pad" at 143.45,25.237 h1.5
  text "(Mixed)" at 150.834,25.237 h1.5
  text "-" at 164.394,25.237 h1.5
  text "3" at 89.538,22.134 h1.5
  text "0.800mm (31.50mil)" at 96.755,22.134 h1.5
  text "PTH" at 111.188,22.134 h1.5
  text "Slot" at 117.377,22.134 h1.5
  text "Top Layer - Bottom Layer" at 126.389,22.134 h1.5
  text "Pad" at 143.45,22.134 h1.5
  text "Rounded Rectangle" at 150.834,22.134 h1.5
  text "3.000mm (118.11mil)" at 164.394,22.134 h1.5
  text "40" at 89.538,19.031 h1.5
  text "0.900mm (35.43mil)" at 96.755,19.031 h1.5
  text "PTH" at 111.188,19.031 h1.5
  text "Round" at 117.377,19.031 h1.5
  text "Top Layer - Bottom Layer" at 126.389,19.031 h1.5
  text "Pad" at 143.45,19.031 h1.5
  text "(Mixed)" at 150.834,19.031 h1.5
  text "-" at 164.394,19.031 h1.5
  text "1" at 89.538,15.928 h1.5
  text "1.016mm (40.00mil)" at 96.755,15.928 h1.5
  text "NPTH" at 111.188,15.928 h1.5
  text "Round" at 117.377,15.928 h1.5
  text "Top Layer - Bottom Layer" at 126.389,15.928 h1.5
  text "Pad" at 143.45,15.928 h1.5
  text "Rounded" at 150.834,15.928 h1.5
  text "-" at 164.394,15.928 h1.5
  text "8" at 89.538,12.825 h1.5
  text "1.067mm (42.00mil)" at 96.755,12.825 h1.5
  text "PTH" at 111.188,12.825 h1.5
  text "Round" at 117.377,12.825 h1.5
  text "Top Layer - Bottom Layer" at 126.389,12.825 h1.5
  text "Pad" at 143.45,12.825 h1.5
  text "Rounded" at 150.834,12.825 h1.5
  text "-" at 164.394,12.825 h1.5
  text "17" at 89.538,9.722 h1.5
  text "1.100mm (43.31mil)" at 96.755,9.722 h1.5
  text "PTH" at 111.188,9.722 h1.5
  text "Round" at 117.377,9.722 h1.5
  text "Top Layer - Bottom Layer" at 126.389,9.722 h1.5
  text "Pad" at 143.45,9.722 h1.5
  text "(Mixed)" at 150.834,9.722 h1.5
  text "-" at 164.394,9.722 h1.5
  text "3" at 89.538,6.619 h1.5
  text "1.300mm (51.18mil)" at 96.755,6.619 h1.5
  text "PTH" at 111.188,6.619 h1.5
  text "Round" at 117.377,6.619 h1.5
  text "Top Layer - Bottom Layer" at 126.389,6.619 h1.5
  text "Pad" at 143.45,6.619 h1.5
  text "Rounded" at 150.834,6.619 h1.5
  text "-" at 164.394,6.619 h1.5
  text "4" at 89.538,3.516 h1.5
  text "3.100mm (122.05mil)" at 96.755,3.516 h1.5
  text "PTH" at 111.188,3.516 h1.5
  text "Round" at 117.377,3.516 h1.5
  text "Top Layer - Bottom Layer" at 126.389,3.516 h1.5
  text "Pad" at 143.45,3.516 h1.5
  text "Rounded" at 150.834,3.516 h1.5
  text "-" at 164.394,3.516 h1.5
  text "132 Total" at 89.538,0.413 h1.5
  text "Slot definitions :" at 82.488,-1.759 h1.5
  text "Routed Path Length" at 92.713,-1.759 h1.5
  text "= Calculated from tool start centre position to tool end centre position." at 105.381,-1.759 h1.5
  text "Hole Length" at 92.713,-3.001 h1.5
  text "= Routed Path Length + Tool Size = Slot length as defined in the PCB layout" at 100.678,-3.001 h1.5

## Dimensions
3.7,0 to 3.7,30.4 on Drill Drawing
0,3.7 to 65.2,3.7 on Drill Drawing